# Altium PCB EDA-03517-V2-0_pcb.pcbdoc (part 1 of 5)
Units mm, origin at the board's own origin, x right, y up, seen from the top; angles counter-clockwise.
Board outline 220 x 264 mm, 8 copper layers (Top Layer, L2, L3, L4, L5, L6, L7, Bottom Layer), stack 2.18 mm thick; 439 components, 290 nets, 1011 pads, 273 vias.
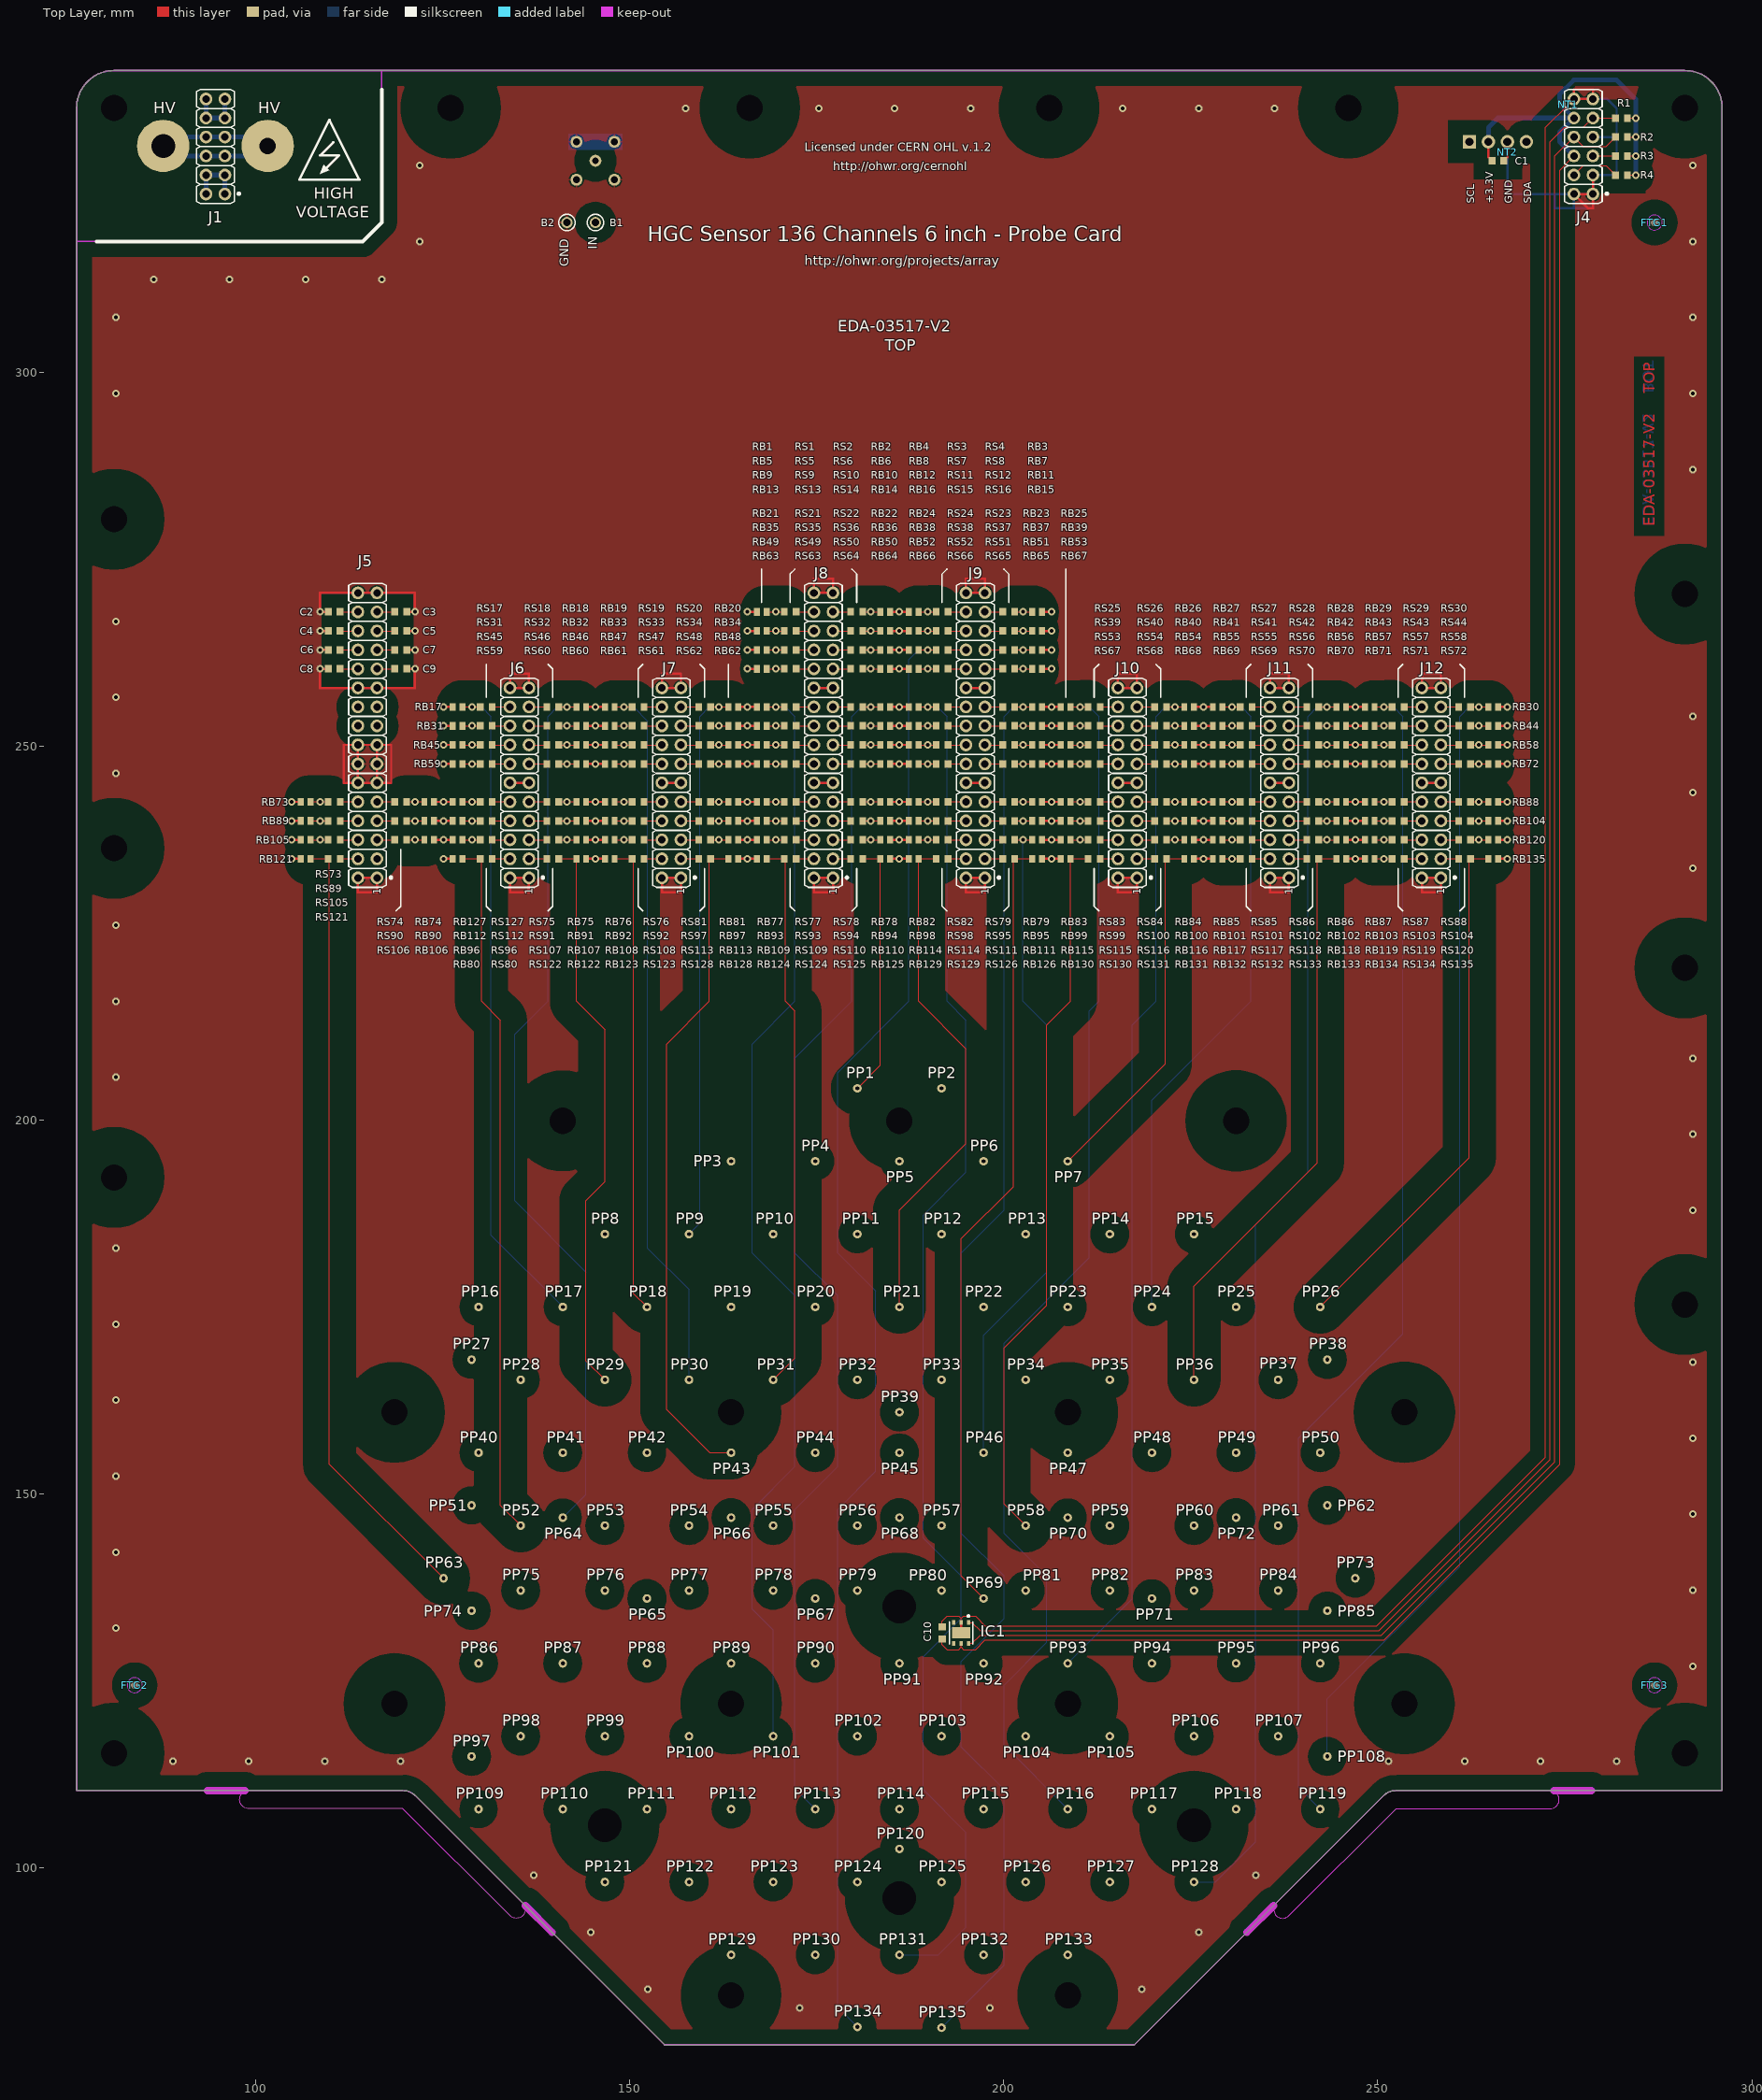
[diagram p0: Top Layer view]
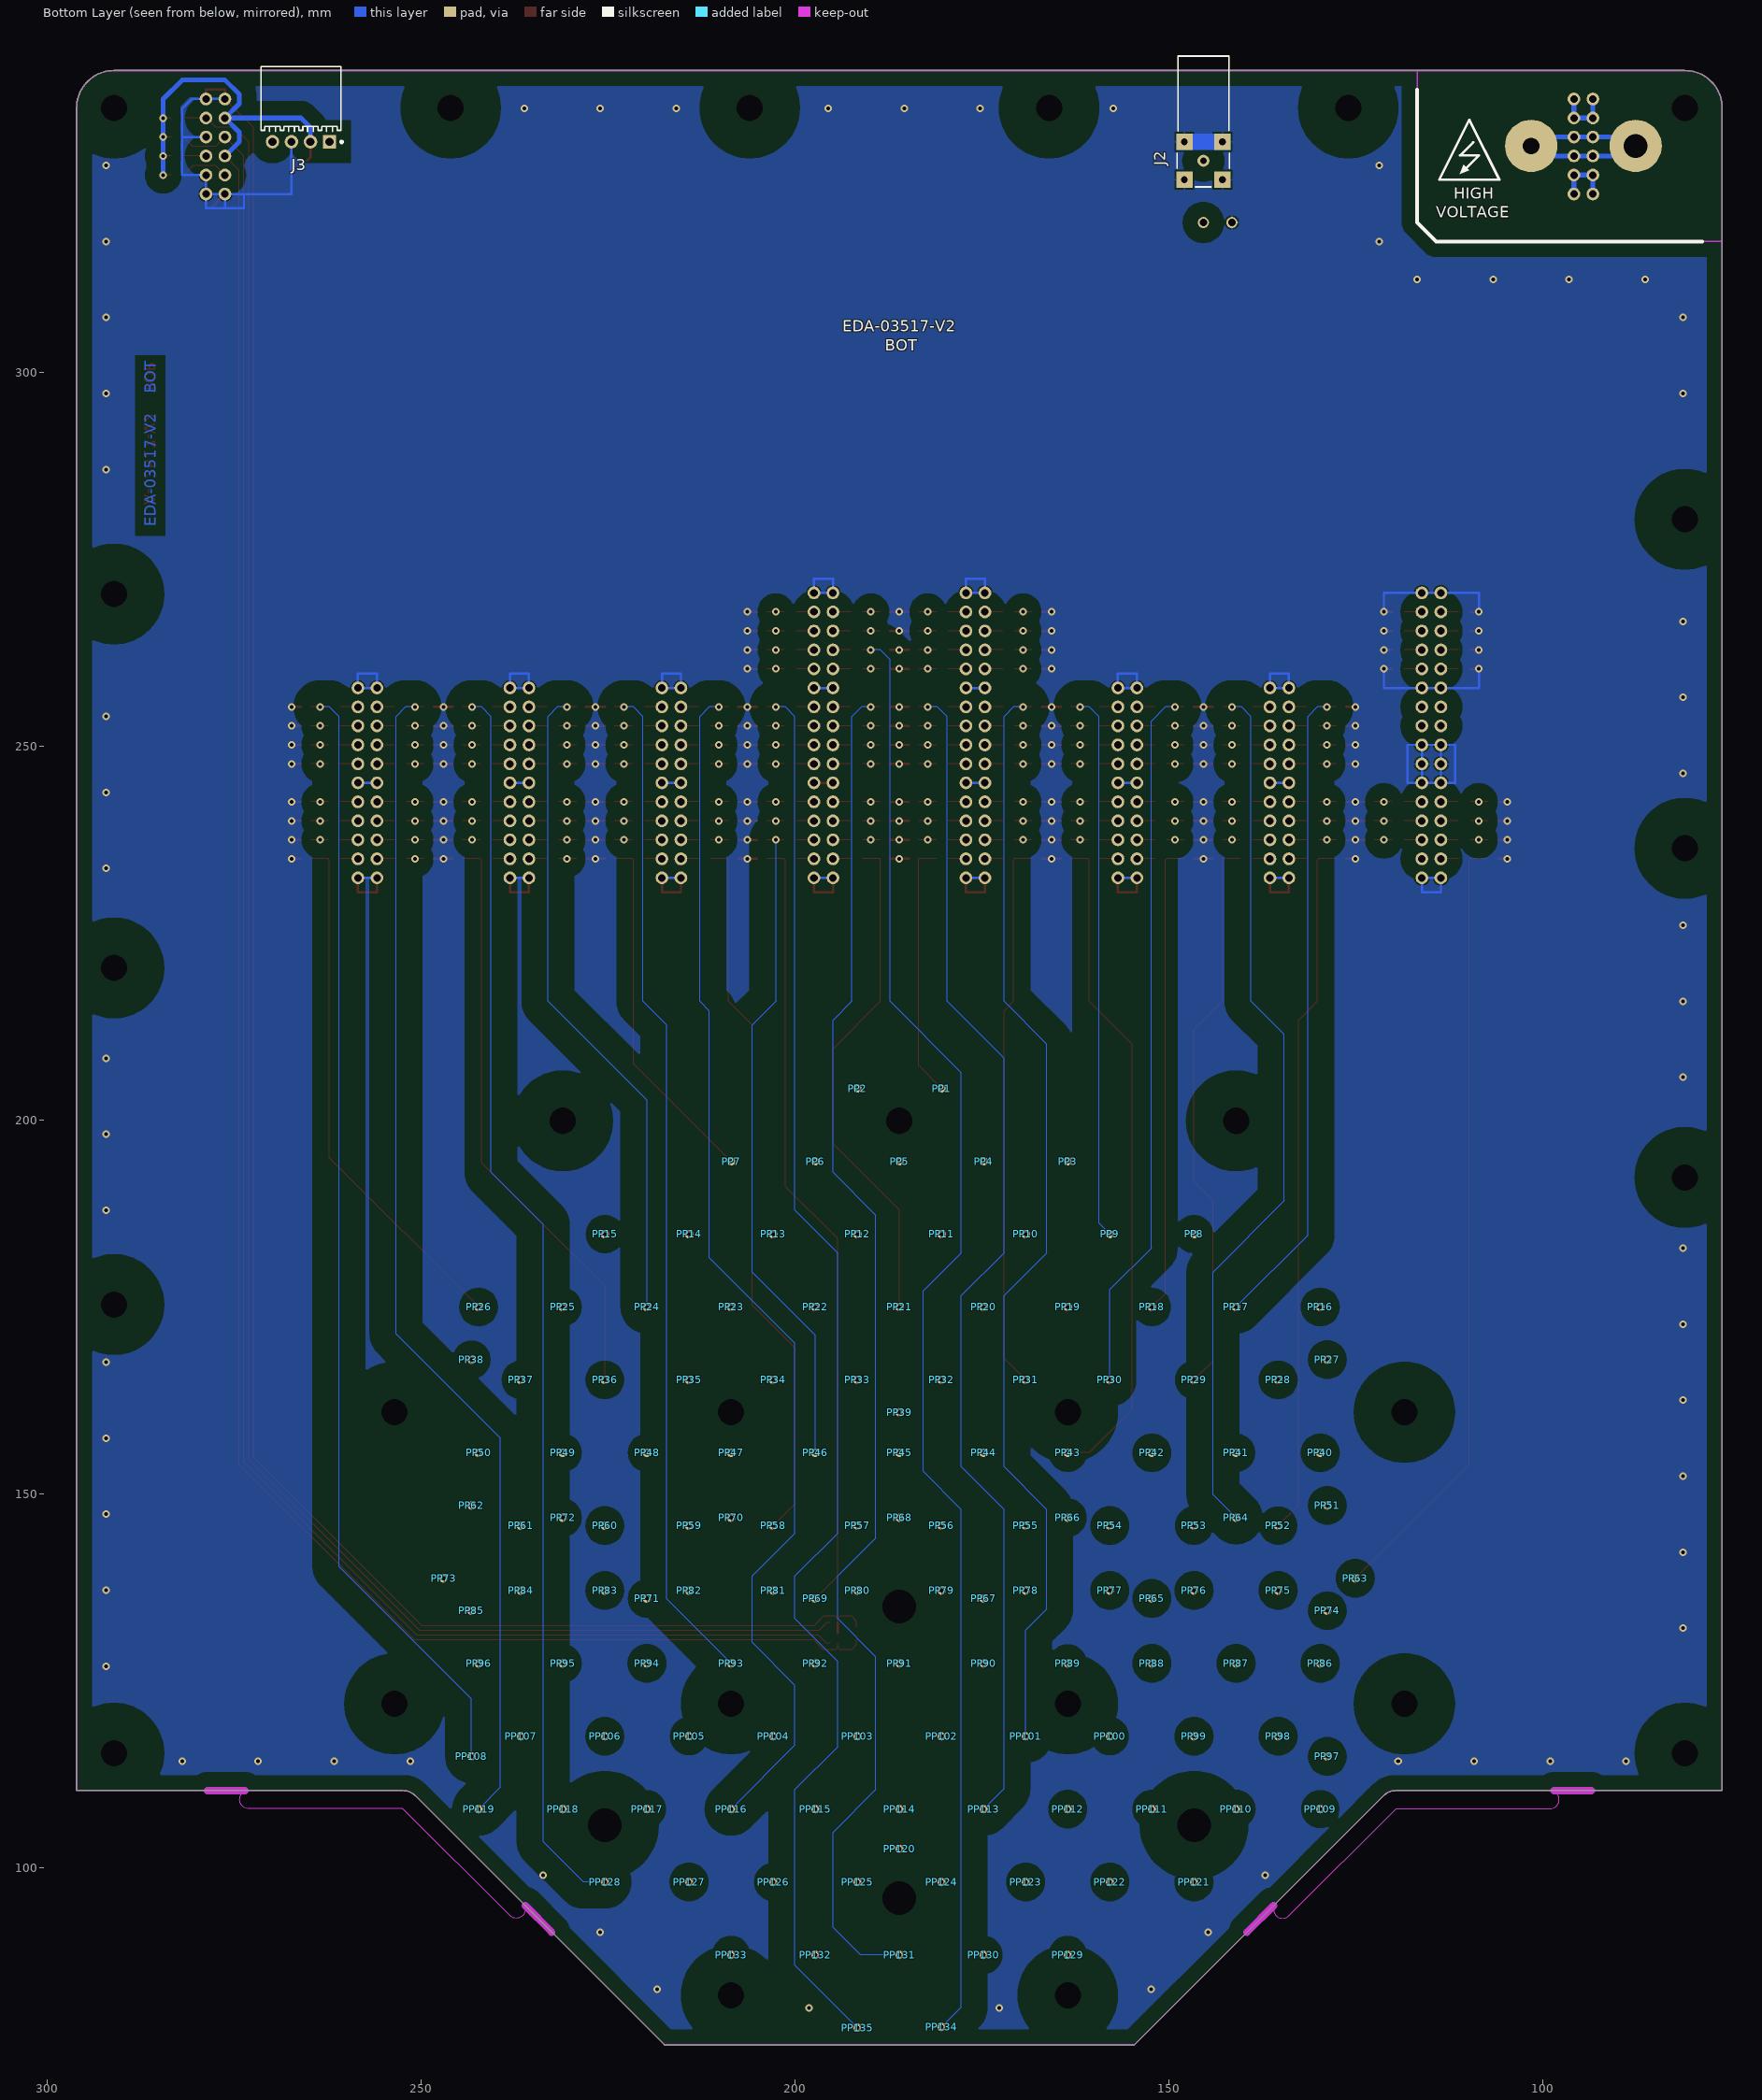
[diagram p1: Bottom Layer view, seen from below]
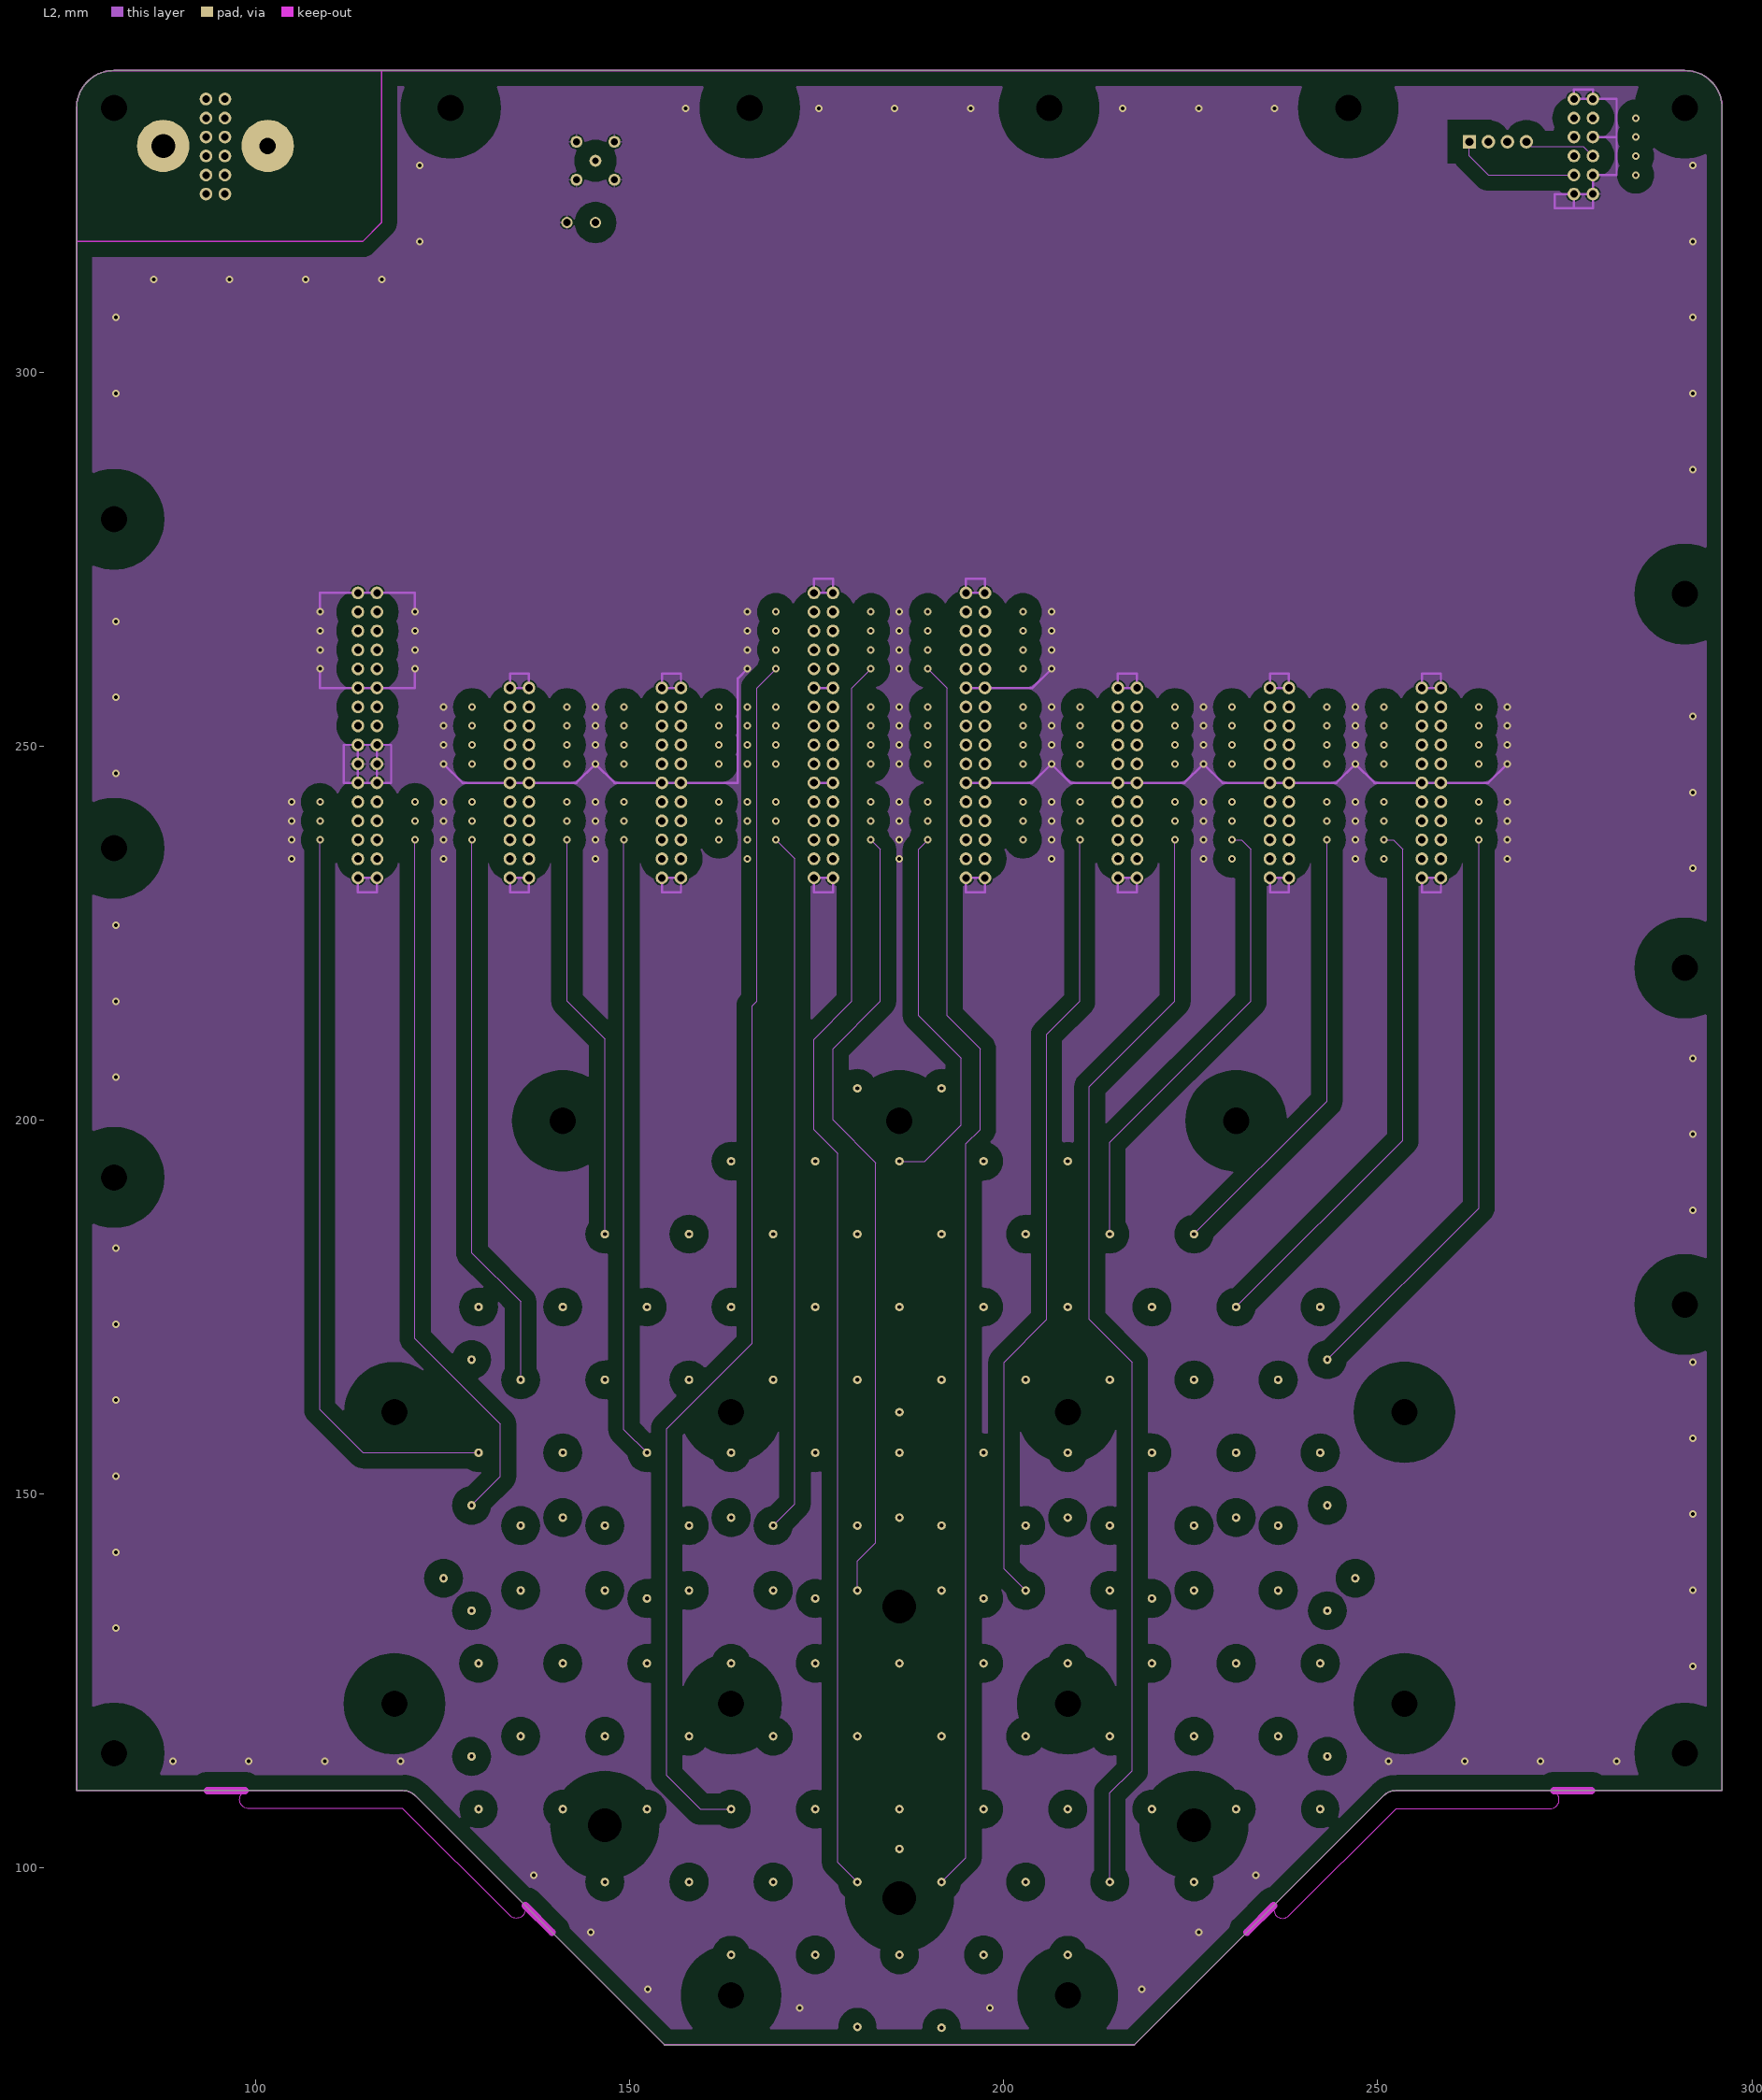
[diagram p2: L2]
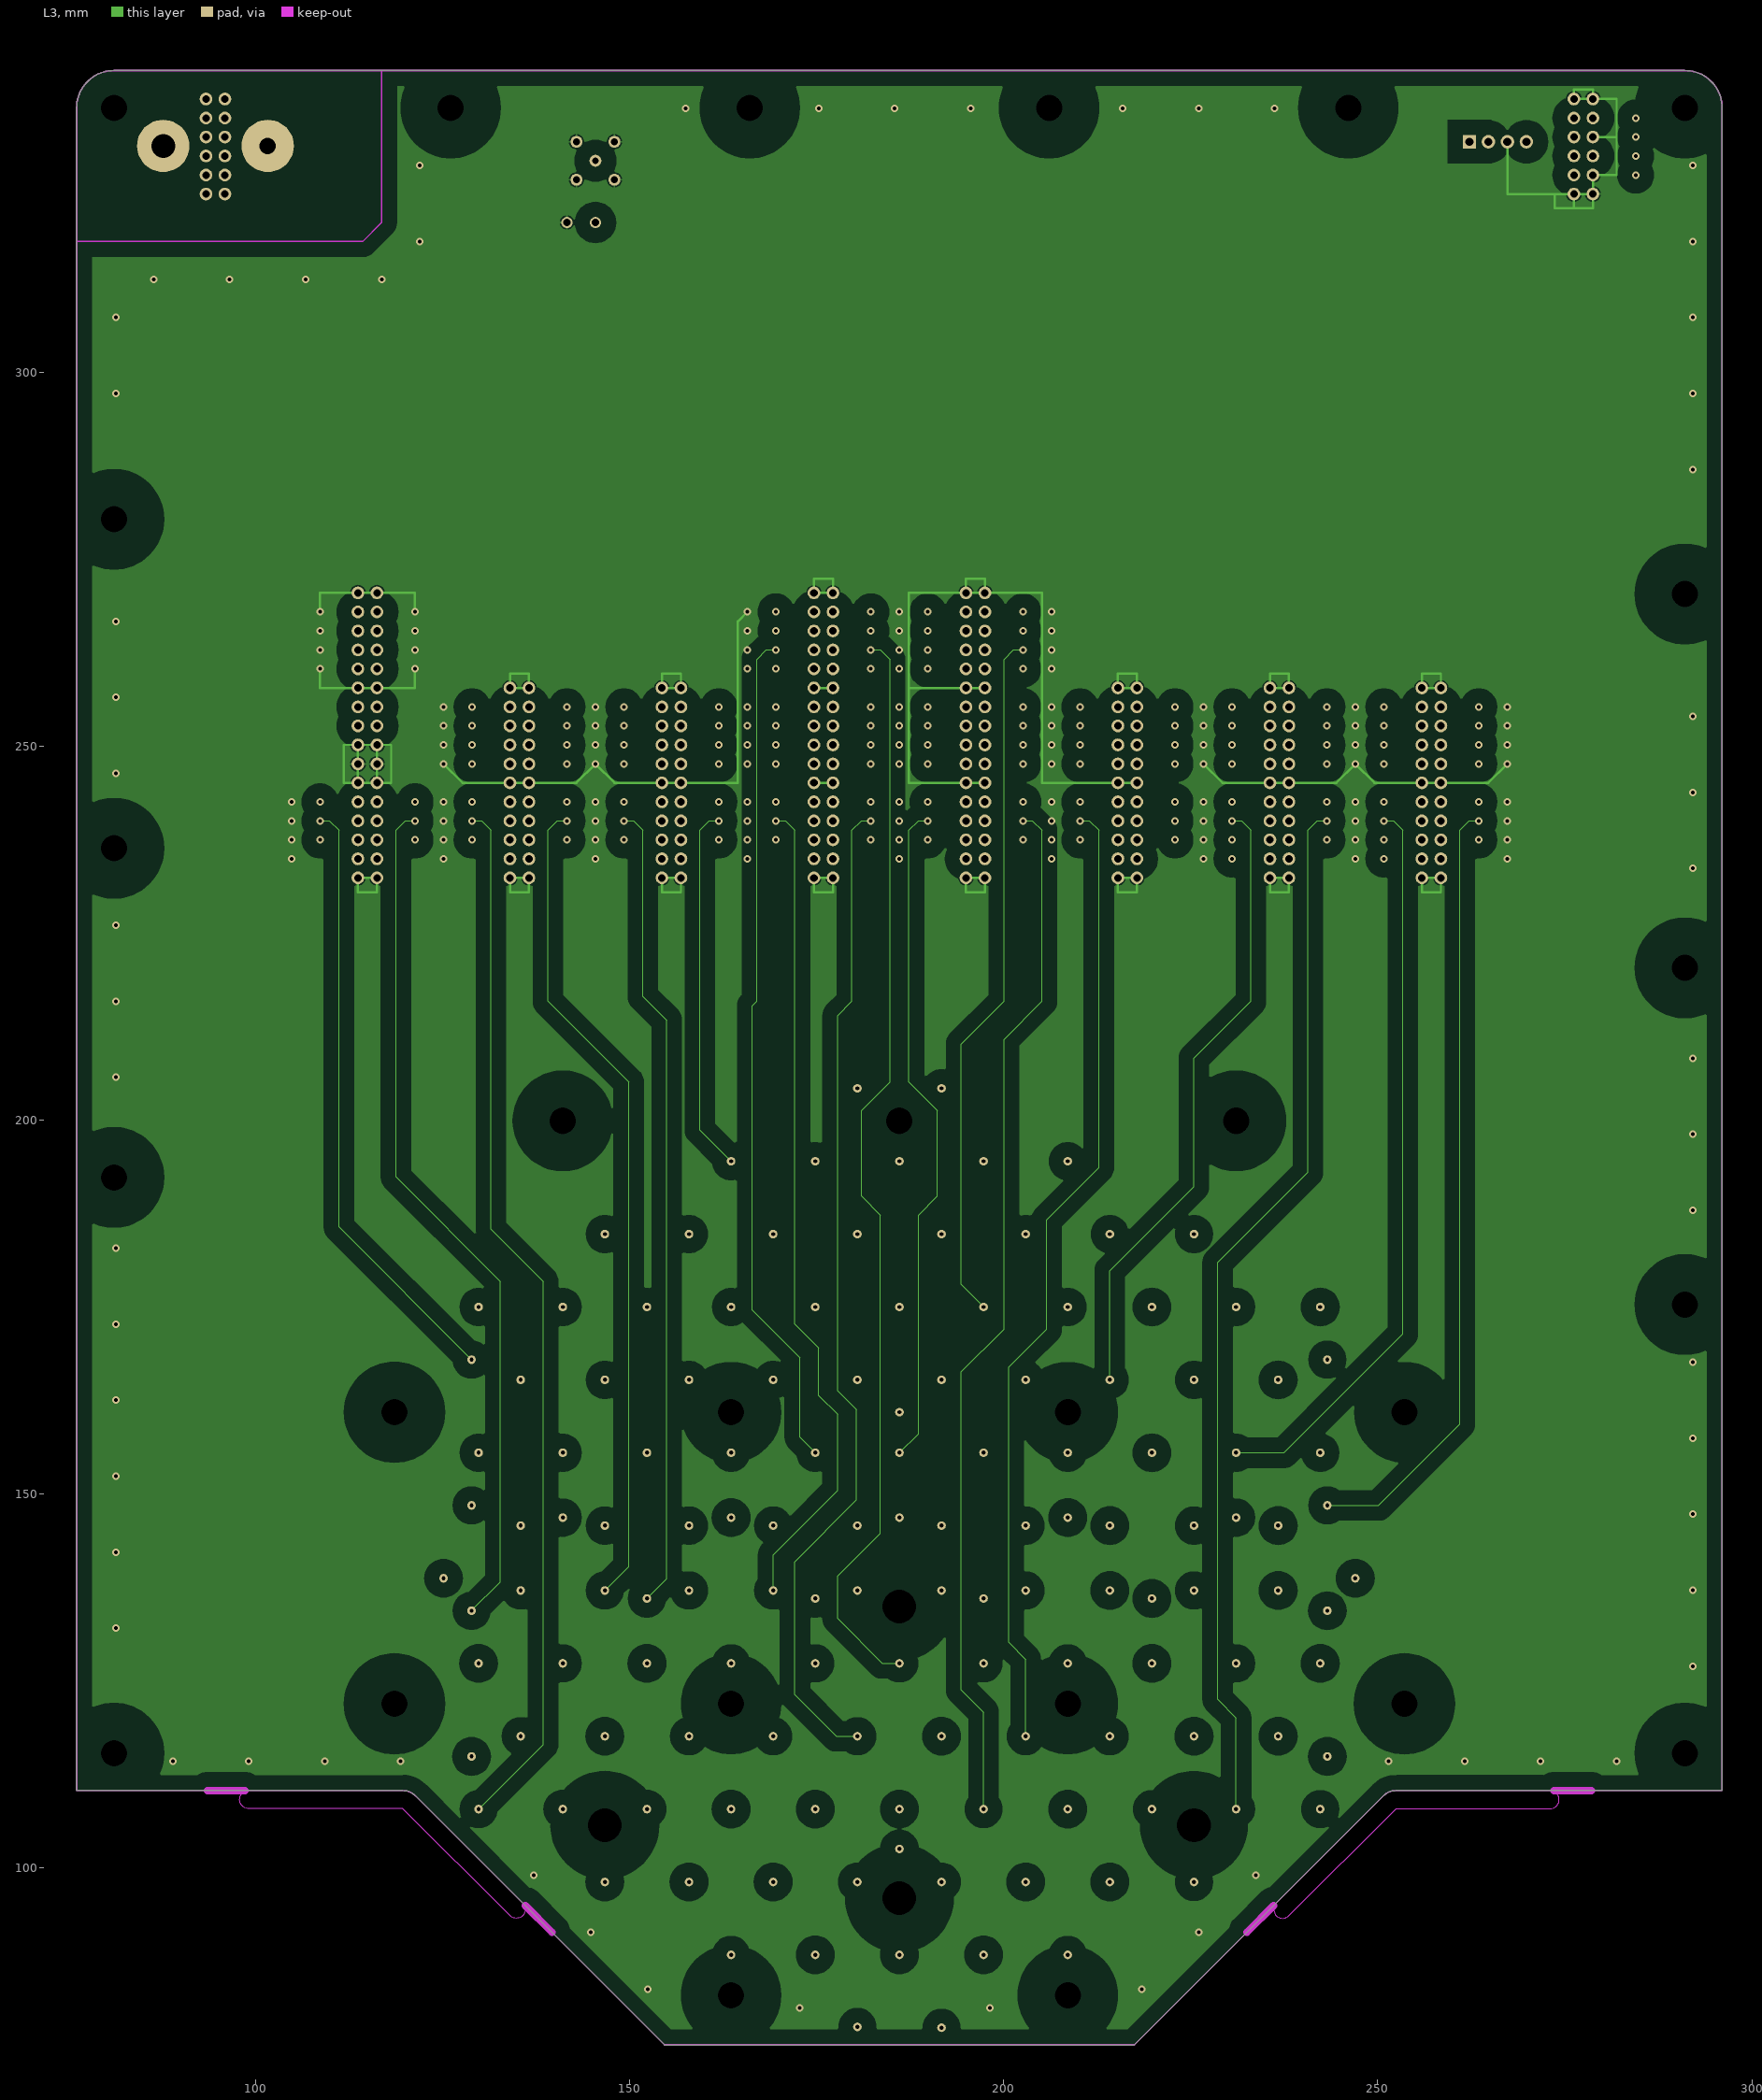
[diagram p3: L3]